# Altium PCB HV_Module_6W.PCBDOC (part 2 of 4) (continued)
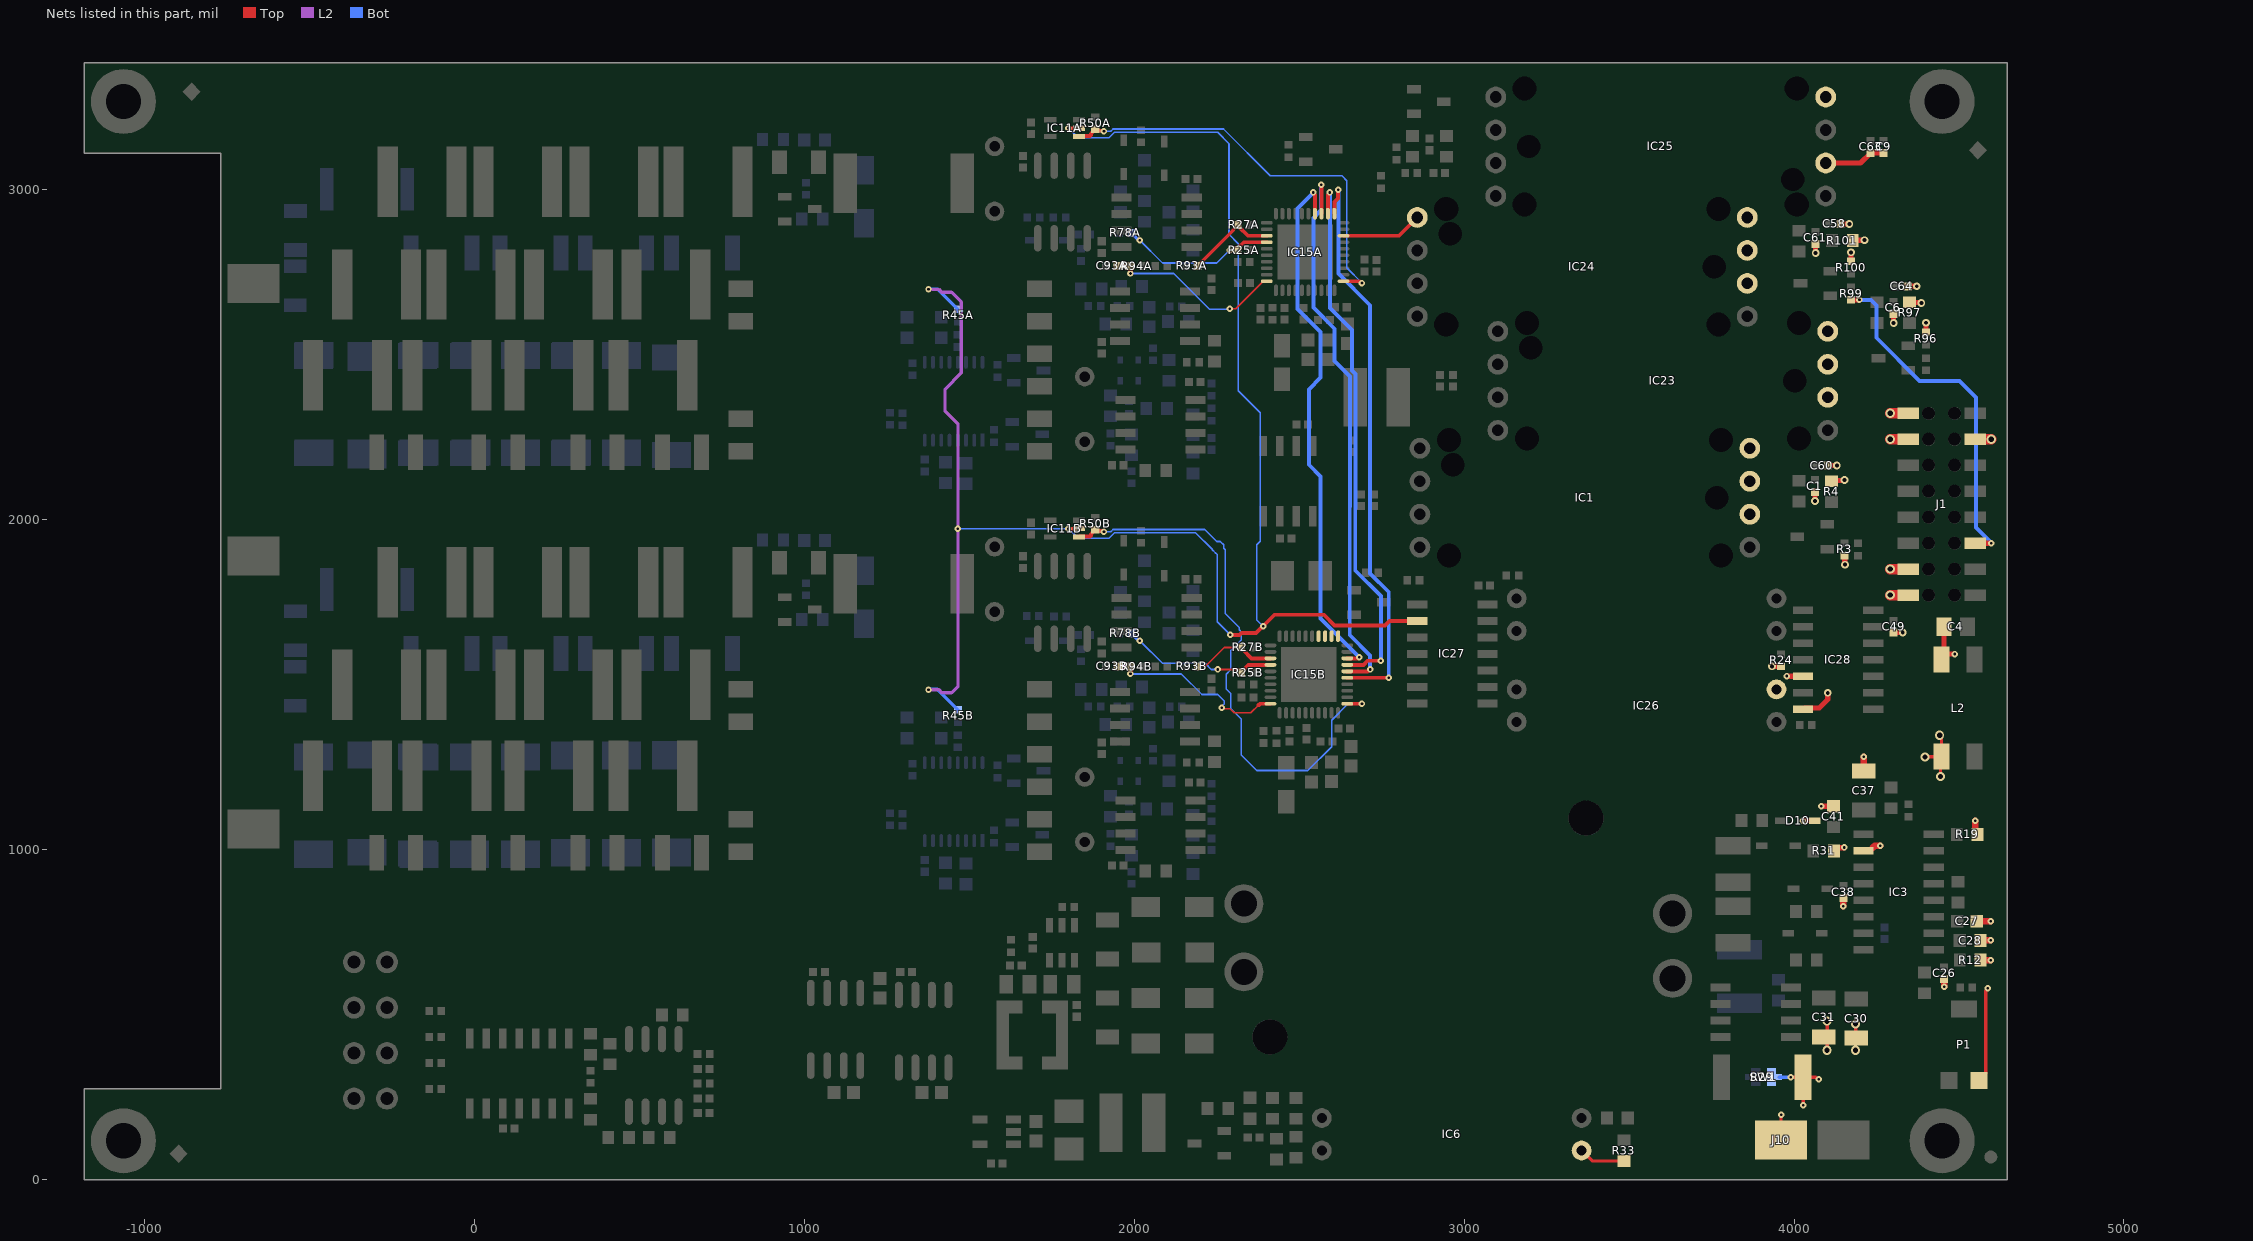
[diagram p4: the nets of this part, all layers, seen from the top]
## Part data (continued)
  J2 J10: CreateDate=2010-03-15, LatestRevisionDate=2010-03-15
  J3 J4 J7: CreateDate=15.03.2010, LatestRevisionDate=15.03.2010
L1 L9: library part 760308101104, "WE-WPCC Wireless Power Transfer Transmitter Coil, THT, works with Qi Tx IC's, 6.8uH, 50W", DC Resistance Max=130mOhm, Manufacturer="Wurth Elektronik", Operating Temperature Max=105°C, Operating Temperature Min=-20°C, Power Capability=50W, Rated Current=2.5A, Self Resonant Frequency=20MHz, Category="Wireless Power Transmission", Compliance="works with Qi Tx IC's", ComponentLink1Description="Website Link", ComponentLink1URL=https://www.we-online.com/redexpert/article/760308101104?ad, ComponentLink2Description="Datasheet Link", ComponentLink2URL=https://www.we-online.com/redexpert/spec/760308101104?ad, Diameter=20mm, Height=2.8mm, Inductance=6.8uH, Manufacturer Part Number=760308101104, Match Code=WE-WPCC, Mount="Through Hole", Packaging=Tray, Q Factor=42
L2: library part IND_250UH_50%_WURTH_WE-SL2-744224, "Inductor Common Mode", Manufacturer="WURTH ELEKTRONIK", Manufacturer Part Number=744224, Power=1.2A, Resistance=0.13R, Tolerance=±50%, Author="CERN DEM JLC", Component Type=Standard, ComponentHeight=5.3mm, CreateDate=02.12.2009, HelpURL=\\cern.ch\dfs\Applications\Altium\Datasheets\IND_WURTH_WE-SL2_744224.pdf, LatestRevisionDate=15.10.2012, Mounted=Yes, Part Description="Common Mode SMD Line Filter (WE-SL2 Series)", Part Number=IND_250UH_50%_WURTH_WE-SL2-744224, Pin Count=4, Sense=No, SMD=Yes, Socket=No
L3 L5: library part IND_10UH_20%_BOURNS_PM43, "Inductor With Core", Manufacturer=BOURNS, Manufacturer Part Number=PM43-100M-RC, Power=1.15A, Resistance=0.18R, Tolerance=±20%, Author="CERN DEM JLC", Component Type=Standard, ComponentHeight=3.5mm, CreateDate=17/05/2011, HelpURL=\\cern.ch\dfs\Applications\Altium\Datasheets\IND_BOURNS_PM43.pdf, LatestRevisionDate=17/05/2011, Mounted=Yes, Part Description="SMD Power Inductor", Part Number=IND_10UH_20%_BOURNS_PM43, Pin Count=2, Sense=No, SMD=Yes, Socket=No, Status=None
L4: library part IND_3.3UH_30%_WURTH_WE-TPC_744043003, "Inductor With Core", Manufacturer="WURTH ELEKTRONIK", Manufacturer Part Number=744043003, Power=2.15A, Resistance=0.03R, Tolerance=±30%, Author="CERN DEM JLC", Component Type=Standard, ComponentHeight=3mm, CreateDate=12.07.2011, HelpURL=\\cern.ch\dfs\Applications\Altium\Datasheets\IND_WURTH_WE-TPC_744043003.pdf, LatestRevisionDate=24.01.2012, Mounted=Yes, Part Description="Shielded Tiny Power Inductor (WE-TPC Serie)", Part Number=IND_3.3UH_30%_WURTH_WE-TPC_744043003, Pin Count=2, Sense=No, SMD=Yes, Socket=No
L8A L8B: library part CMP-0227-00099-3, Ambient Temperature Range High=95°C, Ambient Temperature Range Low=-40°C, Case/Package=Nonstandard, Current Rating=1A, DC Resistance (DCR)=350mΩ, Inductance=150µH, Inductance Tolerance=30%, Max Operating Temperature=125°C, Saturation Current=1.1A, Self Resonant Frequency=6MHz, Series Resistance=470mΩ, Test Frequency=100kHz, Composition=Wirewound, Core Material=Ferrite, Height=3.8mm, Height - Seated (Max)=4.0894mm, Length=10mm, Max DC Current=1A, Min Operating Temperature=-40°C, Mount="Surface Mount", NexarPartId=22803279, Number of Pins=2, Packaging="Cut Tape (CT)", REACH SVHC=Unknown, RMS Current (Irms)=1A, RoHS=Compliant, Shielding=Shielded, Termination=SMD/SMT, Tolerance=30%, Weight=1.273007g, Width=10mm
LD1 LD3: library part LED_DIALIGHT_555-2301F, "LED Green 1C 2A", Manufacturer=DIALIGHT, Manufacturer Part Number=555-2301F, Author="CERN DEM JMW", Bonding=No, Color=Green, Component Type=Standard, ComponentHeight=6.35mm, CreateDate=22.09.2008, HelpURL=\\cern.ch\dfs\Applications\Altium\Datasheets\LED_DIALIGHT_555-2301F.pdf, LatestRevisionDate=17.03.2010, Mounted=Yes, PackageDescription="Single 2mm Green LED, Body 5.08x2.54mm, Pin spacing 2.54mm", Part Description="Single 2mm Green LED CBI® Circuit Board Indicator", Part Number=LED_DIALIGHT_555-2301F, Pin Count=2, PressFit=No, Sense=No, SMD=No, Socket=No
LD2 LD4: library part LED_DIALIGHT_555-2001F, "LED Red 1C 2A", Manufacturer=DIALIGHT, Manufacturer Part Number=555-2001F, Author="CERN DEM JMW", Bonding=No, Color=Red, Component Type=Standard, ComponentHeight=6.35mm, CreateDate=22.09.2008, HelpURL=\\cern.ch\dfs\Applications\Altium\Datasheets\LED_DIALIGHT_555-2001F.pdf, LatestRevisionDate=17.03.2010, Mounted=Yes, PackageDescription="Single 2mm Red LED, Body 5.08x2.54mm, Pin spacing 2.54mm", Part Description="Single 2mm Red LED CBI® Circuit Board Indicator", Part Number=LED_DIALIGHT_555-2001F, Pin Count=2, PressFit=No, Sense=No, SMD=No, Socket=No
LP1 LP2 LP3 LP4: library part LEDLP_BIVAR_PLP2-1200, "LED Light Pipe x1 Type1", Manufacturer=BIVAR, Manufacturer Part Number=PLP2-1200, Author="CERN DEM HF", Bonding=No, Component Type=Standard, ComponentHeight=31.3mm, CreateDate=09.02.2022, HelpURL=\\cern.ch\dfs\Applications\Altium\Datasheets\LEDLP_BIVAR_PLP2-1200.pdf, LatestRevisionDate=09.02.2022, Mounted=Yes, PackageDescription="3mm Dome Leens, Single Station Vertivcal Round Lightpipe Height 1.2 in. (30.5mm)", Part Description="3mm Dome Leens, Single Station Vertivcal Round Lightpipe Height 1.2 in. (30.5mm)", Part Number=LEDLP_BIVAR_PLP2-1200, Pin Count=0, PressFit=No, Sense=No, SMD=No, Socket=No
P1: library part TRIM_1T_10K_BOURNS_3314G-1-103E, "Trimming Potentiometer", Case=3314G-1, Manufacturer=BOURNS, Manufacturer Part Number=3314G-1-103E, Power=0.25W, Tolerance=±20%, Author="CERN DEM JLC", Component Type=Standard, ComponentHeight=2.55mm, CreateDate=2014-03-04, HelpURL=\\cern.ch\dfs\Applications\Altium\Datasheets\TRIM_BOURNS_3314G-1.pdf, LatestRevisionDate=2014-03-04, Mounted=Yes, Part Description="Single Turn 4mm Square Trimpot® Trimming Potentiometer (Top Adjust)", Part Number=TRIM_1T_10K_BOURNS_3314G-1-103E, Pin Count=3, Sense=No, SMD=Yes, Socket=No, TC=±100ppm/°C
R1 R6 R98 R102: library part R0603_390R_1%_0.1W_100PPM, "Resistor - 1%", Case=0603, Manufacturer=GENERIC, Manufacturer1 ComponentHeight=0.55mm, Manufacturer1 Example="NIC COMPONENT", Manufacturer1 Part Number=NRC06F3900TRF, Power=0.1W, Tolerance=±1%, Author="CERN DEM JLC", Component Type=Standard, CreateDate=03.12.2007, HelpURL=\\cern.ch\dfs\Applications\Altium\Datasheets\R0603_NIC_NRC.pdf, LatestRevisionDate=13.03.2008, Manufacturer Part Number=R0603_390R_1%_0.1W_100PPM, Mounted=Yes, Part Description="General Purpose Thick Film Chip Resistor", Part Number=R0603_390R_1%_0.1W_100PPM, Pin Count=2, PressFit=No, Sense=No, SMD=Yes, Socket=No, Status=Preferred, TC=±100ppm/°C
R2 R95 R99 R103: library part R0402_47R_1%_0.0625W_100PPM, "Resistor - 1%", Case=0402, Manufacturer=GENERIC, Manufacturer1 ComponentHeight=0.4mm, Manufacturer1 Example="YAGEO PHYCOMP", Manufacturer1 Part Number=232270674709L, Power=0.0625W, Tolerance=±1%, Author="CERN DEM JLC", Component Type=Standard, CreateDate=03.12.2007, HelpURL=\\cern.ch\dfs\Applications\Altium\Datasheets\R0402_Phycomp_RC0402.pdf, LatestRevisionDate=17.10.2012, Manufacturer Part Number=R0402_47R_1%_0.0625W_100PPM, Mounted=Yes, Part Description="General Purpose Thick Film Chip Resistor", Part Number=R0402_47R_1%_0.0625W_100PPM, Pin Count=2, PressFit=No, Sense=No, SMD=Yes, Socket=No, Status="Not Recommended", TC=±100ppm/°C
R3 R14 R52A R52B R57 R65A R65B R67 R70 R71 R72 R78A R78B R80A R80B R90A R90B R93A R93B R94A R94B R96 R100 R104 R109: library part R0402_1K_1%_0.0625W_100PPM, "Resistor - 1%", Case=0402, Manufacturer=GENERIC, Manufacturer1 ComponentHeight=0.4mm, Manufacturer1 Example="YAGEO PHYCOMP", Manufacturer1 Part Number=232270671002L, Power=0.0625W, Tolerance=±1%, Author="CERN DEM JLC", Component Type=Standard, HelpURL=\\cern.ch\dfs\Applications\Altium\Datasheets\R0402_Phycomp_RC0402.pdf, Manufacturer Part Number=R0402_1K_1%_0.0625W_100PPM, Mounted=Yes, Part Description="General Purpose Thick Film Chip Resistor", Part Number=R0402_1K_1%_0.0625W_100PPM, Pin Count=2, Sense=No, SMD=Yes, Socket=No, TC=±100ppm/°C
  R3 R96 R100 R104: CreateDate=03.12.2007, LatestRevisionDate=17.10.2012, PressFit=No, Status="Not Recommended"
  R14 R52A R52B R57 R65A R65B R67 R70 R71 R72 R78A R78B R80A R80B R90A R90B R93A R93B R94A R94B R109: CreateDate=2007-12-03, LatestRevisionDate=2012-10-17, Status="Not recommended"
R4 R97 R101 R105: library part R0603_150R_1%_0.1W_100PPM, "Resistor - 1%", Case=0603, Manufacturer=GENERIC, Manufacturer1 ComponentHeight=0.55mm, Manufacturer1 Example="NIC COMPONENT", Manufacturer1 Part Number=NRC06F1500TRF, Power=0.1W, Tolerance=±1%, Author="CERN DEM JLC", Component Type=Standard, CreateDate=03.12.2007, HelpURL=\\cern.ch\dfs\Applications\Altium\Datasheets\R0603_NIC_NRC.pdf, LatestRevisionDate=13.03.2008, Manufacturer Part Number=R0603_150R_1%_0.1W_100PPM, Mounted=Yes, Part Description="General Purpose Thick Film Chip Resistor", Part Number=R0603_150R_1%_0.1W_100PPM, Pin Count=2, PressFit=No, Sense=No, SMD=Yes, Socket=No, Status=Preferred, TC=±100ppm/°C
R5 R56 R59 R62A R62B R66 R68 R69 R84A R84B: library part R0603_100K_1%_0.1W_100PPM, "Resistor - 1%", Case=0603, Manufacturer=GENERIC, Manufacturer1 ComponentHeight=0.55mm, Manufacturer1 Example="NIC COMPONENT", Manufacturer1 Part Number=NRC06F1003TRF, Power=0.1W, Tolerance=±1%, Author="CERN DEM JLC", Component Type=Standard, CreateDate=2007-12-03, HelpURL=\\cern.ch\dfs\Applications\Altium\Datasheets\R0603_NIC_NRC.pdf, LatestRevisionDate=2008-03-13, Manufacturer Part Number=R0603_100K_1%_0.1W_100PPM, Mounted=Yes, Part Description="General Purpose Thick Film Chip Resistor", Part Number=R0603_100K_1%_0.1W_100PPM, Pin Count=2, Sense=No, SMD=Yes, Socket=No, Status=Preferred, TC=±100ppm/°C
R7: library part R0402_43K_1%_0.0625W_100PPM, "Resistor - 1%", Case=0402, Manufacturer=GENERIC, Manufacturer1 ComponentHeight=0.4mm, Manufacturer1 Example="YAGEO PHYCOMP", Manufacturer1 Part Number=232270674303L, Power=0.0625W, Tolerance=±1%, Author="CERN DEM JLC", Component Type=Standard, CreateDate=03.12.2007, HelpURL=\\cern.ch\dfs\Applications\Altium\Datasheets\R0402_Phycomp_RC0402.pdf, LatestRevisionDate=17.10.2012, Manufacturer Part Number=R0402_43K_1%_0.0625W_100PPM, Mounted=Yes, Part Description="General Purpose Thick Film Chip Resistor", Part Number=R0402_43K_1%_0.0625W_100PPM, Pin Count=2, PressFit=No, Sense=No, SMD=Yes, Socket=No, Status="Not Recommended", TC=±100ppm/°C
R8: library part R0402_8K2_1%_0.0625W_100PPM, "Resistor - 1%", Case=0402, Manufacturer=GENERIC, Manufacturer1 ComponentHeight=0.4mm, Manufacturer1 Example="YAGEO PHYCOMP", Manufacturer1 Part Number=232270678202L, Power=0.0625W, Tolerance=±1%, Author="CERN DEM JLC", Component Type=Standard, CreateDate=03.12.2007, HelpURL=\\cern.ch\dfs\Applications\Altium\Datasheets\R0402_Phycomp_RC0402.pdf, LatestRevisionDate=17.10.2012, Manufacturer Part Number=R0402_8K2_1%_0.0625W_100PPM, Mounted=Yes, Part Description="General Purpose Thick Film Chip Resistor", Part Number=R0402_8K2_1%_0.0625W_100PPM, Pin Count=2, PressFit=No, Sense=No, SMD=Yes, Socket=No, Status="Not Recommended", TC=±100ppm/°C
R9A R9B R28A R28B R79A R79B R91A R91B: library part R0603_3K32_0.1%_0.063W_10PPM, "Resistor - 0.1%", Case=0603, Manufacturer=GENERIC, Manufacturer1 ComponentHeight=0.5mm, Manufacturer1 Example="TYCO HOLSWORTHY", Manufacturer1 Part Number=RN73C1J3K32BTDF, Power=0.063W, Tolerance=±0.1%, Author="CERN DEM JLC", Component Type=Standard, CreateDate=03.12.2007, HelpURL=\\cern.ch\dfs\Applications\Altium\Datasheets\R0603_Tyco_RN73.pdf, LatestRevisionDate=13.03.2008, Manufacturer Part Number=R0603_3K32_0.1%_0.063W_10PPM, Mounted=Yes, Part Description="Thin Film Chip Resistor", Part Number=R0603_3K32_0.1%_0.063W_10PPM, Pin Count=2, PressFit=No, Sense=No, SMD=Yes, Socket=No, Status="Not Recommended", TC=±10ppm
R10 R13 R16 R17 R19 R26 R30 R31 R33 R36 R38A R38B: library part R0603_47R_1%_0.1W_100PPM, "Resistor - 1%", Case=0603, Manufacturer=GENERIC, Manufacturer1 ComponentHeight=0.55mm, Manufacturer1 Example="NIC COMPONENT", Manufacturer1 Part Number=NRC06F47R0TRF, Power=0.1W, Tolerance=±1%, Author="CERN DEM JLC", Component Type=Standard, CreateDate=2007-12-03, HelpURL=\\cern.ch\dfs\Applications\Altium\Datasheets\R0603_NIC_NRC.pdf, LatestRevisionDate=2008-03-13, Manufacturer Part Number=R0603_47R_1%_0.1W_100PPM, Mounted=Yes, Part Description="General Purpose Thick Film Chip Resistor", Part Number=R0603_47R_1%_0.1W_100PPM, Pin Count=2, Sense=No, SMD=Yes, Socket=No, Status=Preferred, TC=±100ppm/°C
R11 R32 R35: library part R0603_2K7_1%_0.1W_100PPM, "Resistor - 1%", Case=0603, Manufacturer=GENERIC, Manufacturer1 ComponentHeight=0.55mm, Manufacturer1 Example="YAGEO PHYCOMP", Manufacturer1 Part Number=RC0603FR-072K7L, Power=0.1W, Tolerance=±1%, Author="CERN DEM JLC", Component Type=Standard, CreateDate=2011-05-02, HelpURL=\\cern.ch\dfs\Applications\Altium\Datasheets\R0603_PHYCOMP_RC0603.pdf, LatestRevisionDate=2011-05-02, Manufacturer Part Number=R0603_2K7_1%_0.1W_100PPM, Mounted=Yes, Part Description="General Purpose Thick Film Chip Resistor", Part Number=R0603_2K7_1%_0.1W_100PPM, Pin Count=2, Sense=No, SMD=Yes, Socket=No, Status=Preferred, TC=±100ppm/°C
R12: library part R0603_1M_1%_0.1W_100PPM, "Resistor - 1%", Case=0603, Manufacturer=GENERIC, Manufacturer1 ComponentHeight=0.55mm, Manufacturer1 Example="NIC COMPONENT", Manufacturer1 Part Number=NRC06F1004TRF, Power=0.1W, Tolerance=±1%, Author="CERN DEM JLC", Component Type=Standard, CreateDate=2007-12-03, HelpURL=\\cern.ch\dfs\Applications\Altium\Datasheets\R0603_NIC_NRC.pdf, LatestRevisionDate=2008-03-13, Manufacturer Part Number=R0603_1M_1%_0.1W_100PPM, Mounted=Yes, Part Description="General Purpose Thick Film Chip Resistor", Part Number=R0603_1M_1%_0.1W_100PPM, Pin Count=2, Sense=No, SMD=Yes, Socket=No, Status=Preferred, TC=±100ppm/°C
R15: library part R0402_100K_1%_0.0625W_100PPM, "Resistor - 1%", Case=0402, Manufacturer=GENERIC, Manufacturer1 ComponentHeight=0.4mm, Manufacturer1 Example="YAGEO PHYCOMP", Manufacturer1 Part Number=232270671004L, Power=0.0625W, Tolerance=±1%, Author="CERN DEM JLC", Component Type=Standard, CreateDate=2007-12-03, HelpURL=\\cern.ch\dfs\Applications\Altium\Datasheets\R0402_Phycomp_RC0402.pdf, LatestRevisionDate=2012-10-17, Manufacturer Part Number=R0402_100K_1%_0.0625W_100PPM, Mounted=Yes, Part Description="General Purpose Thick Film Chip Resistor", Part Number=R0402_100K_1%_0.0625W_100PPM, Pin Count=2, Sense=No, SMD=Yes, Socket=No, Status="Not recommended", TC=±100ppm/°C
R18A R18B R58A R58B R82A R82B R111A R111B: library part R0402_13R_1%_0.0625W_100PPM, "Resistor - 1%", Case=0402, Manufacturer=GENERIC, Manufacturer1 ComponentHeight=0.4mm, Manufacturer1 Example="YAGEO PHYCOMP", Manufacturer1 Part Number=232270671309L, Power=0.0625W, Tolerance=±1%, Author="CERN DEM JLC", Component Type=Standard, CreateDate=03.12.2007, HelpURL=\\cern.ch\dfs\Applications\Altium\Datasheets\R0402_Phycomp_RC0402.pdf, LatestRevisionDate=17.10.2012, Manufacturer Part Number=R0402_13R_1%_0.0625W_100PPM, Mounted=Yes, Part Description="General Purpose Thick Film Chip Resistor", Part Number=R0402_13R_1%_0.0625W_100PPM, Pin Count=2, PressFit=No, Sense=No, SMD=Yes, Socket=No, Status="Not Recommended", TC=±100ppm/°C
R20A R20B R22A R22B R25A R25B R27A R27B R74A R74B: library part R0402_0R_JUMPER, "Resistor", Case=0402, Manufacturer=GENERIC, Manufacturer1 ComponentHeight=0.4mm, Manufacturer1 Example="YAGEO PHYCOMP", Manufacturer1 Part Number=232270591001L, Author="CERN DEM JLC", Component Type=Standard, CreateDate=03.12.2007, HelpURL=\\cern.ch\dfs\Applications\Altium\Datasheets\R0402_Phycomp_RC0402.pdf, LatestRevisionDate=17.10.2012, Manufacturer Part Number=R0402_0R_JUMPER, Mounted=Yes, Part Description="1A (0.05R Max DC Resistance) Zero Ohm Jumper", Part Number=R0402_0R_JUMPER, Pin Count=2, PressFit=No, Sense=No, SMD=Yes, Socket=No, Status="Not Recommended"
R21 R23 R24 R45A R45B R106: library part R0402_330R_1%_0.0625W_100PPM, "Resistor - 1%", Case=0402, Manufacturer=GENERIC, Manufacturer1 ComponentHeight=0.4mm, Manufacturer1 Example="YAGEO PHYCOMP", Manufacturer1 Part Number=232270673301L, Power=0.0625W, Tolerance=±1%, Author="CERN DEM JLC", Component Type=Standard, CreateDate=2007-12-03, HelpURL=\\cern.ch\dfs\Applications\Altium\Datasheets\R0402_Phycomp_RC0402.pdf, LatestRevisionDate=2012-10-17, Manufacturer Part Number=R0402_330R_1%_0.0625W_100PPM, Mounted=Yes, Part Description="General Purpose Thick Film Chip Resistor", Part Number=R0402_330R_1%_0.0625W_100PPM, Pin Count=2, Sense=No, SMD=Yes, Socket=No, Status="Not recommended", TC=±100ppm/°C
R29: library part R2512_0R5_1%_1.5W_100PPM, "Resistor - 1%", Case=2512, Manufacturer=GENERIC, Manufacturer1 ComponentHeight=0.8mm, Manufacturer1 Example=WELWYN, Manufacturer1 Part Number=LR2512-R50FW, Power=1.5W, Tolerance=±1%, Author="CERN DEM JLC", Component Type=Standard, CreateDate=2010-08-23, HelpURL=\\cern.ch\dfs\Applications\Altium\Datasheets\R2512_WELWYN_LR.pdf, LatestRevisionDate=2010-08-23, Manufacturer Part Number=R2512_0R5_1%_1.5W_100PPM, Mounted=Yes, Part Description="Thick Film Chip Resistor", Part Number=R2512_0R5_1%_1.5W_100PPM, Pin Count=2, Sense=No, SMD=Yes, Socket=No, Status=None, TC=±100ppm/°C
R34: library part R0603_9K1_1%_0.1W_100PPM, "Resistor - 1%", Case=0603, Manufacturer=GENERIC, Manufacturer1 ComponentHeight=0.55mm, Manufacturer1 Example="NIC COMPONENT", Manufacturer1 Part Number=NRC06F9101TRF, Power=0.1W, Tolerance=±1%, Author="CERN DEM JLC", Component Type=Standard, CreateDate=2007-12-03, HelpURL=\\cern.ch\dfs\Applications\Altium\Datasheets\R0603_NIC_NRC.pdf, LatestRevisionDate=2008-03-13, Manufacturer Part Number=R0603_9K1_1%_0.1W_100PPM, Mounted=Yes, Part Description="General Purpose Thick Film Chip Resistor", Part Number=R0603_9K1_1%_0.1W_100PPM, Pin Count=2, Sense=No, SMD=Yes, Socket=No, Status=Preferred, TC=±100ppm/°C
R37: library part R0603_2K4_1%_0.1W_100PPM, "Resistor - 1%", Case=0603, Manufacturer=GENERIC, Manufacturer1 ComponentHeight=0.55mm, Manufacturer1 Example="NIC COMPONENT", Manufacturer1 Part Number=NRC06F2401TRF, Power=0.1W, Tolerance=±1%, Author="CERN DEM JLC", Component Type=Standard, CreateDate=2007-12-03, HelpURL=\\cern.ch\dfs\Applications\Altium\Datasheets\R0603_NIC_NRC.pdf, LatestRevisionDate=2008-03-13, Manufacturer Part Number=R0603_2K4_1%_0.1W_100PPM, Mounted=Yes, Part Description="General Purpose Thick Film Chip Resistor", Part Number=R0603_2K4_1%_0.1W_100PPM, Pin Count=2, Sense=No, SMD=Yes, Socket=No, Status=Preferred, TC=±100ppm/°C
R39A R39B R83A R83B R92A R92B: library part R0402_33R_1%_0.0625W_100PPM, "Resistor - 1%", Case=0402, Manufacturer=GENERIC, Manufacturer1 ComponentHeight=0.4mm, Manufacturer1 Example="YAGEO PHYCOMP", Manufacturer1 Part Number=232270673309L, Power=0.0625W, Tolerance=±1%, Author="CERN DEM JLC", Component Type=Standard, HelpURL=\\cern.ch\dfs\Applications\Altium\Datasheets\R0402_Phycomp_RC0402.pdf, Manufacturer Part Number=R0402_33R_1%_0.0625W_100PPM, Mounted=Yes, Part Description="General Purpose Thick Film Chip Resistor", Part Number=R0402_33R_1%_0.0625W_100PPM, Pin Count=2, Sense=No, SMD=Yes, Socket=No, TC=±100ppm/°C
  R39A R39B: CreateDate=2007-12-03, LatestRevisionDate=2012-10-17, Status="Not recommended"
  R83A R83B R92A R92B: CreateDate=03.12.2007, LatestRevisionDate=17.10.2012, PressFit=No, Status="Not Recommended"
R40A R40B R46A R46B R48A R48B R49A R49B R50A R50B R51A R51B R53A R53B R54A R54B R55A R55B R64A R64B R107 R108: library part R0402_10K_1%_0.0625W_100PPM, "Resistor - 1%", Case=0402, Manufacturer=GENERIC, Manufacturer1 ComponentHeight=0.4mm, Manufacturer1 Example="YAGEO PHYCOMP", Manufacturer1 Part Number=232270671003L, Power=0.0625W, Tolerance=±1%, Author="CERN DEM JLC", Component Type=Standard, CreateDate=2007-12-03, HelpURL=\\cern.ch\dfs\Applications\Altium\Datasheets\R0402_Phycomp_RC0402.pdf, LatestRevisionDate=2012-10-17, Manufacturer Part Number=R0402_10K_1%_0.0625W_100PPM, Mounted=Yes, Part Description="General Purpose Thick Film Chip Resistor", Part Number=R0402_10K_1%_0.0625W_100PPM, Pin Count=2, Sense=No, SMD=Yes, Socket=No, Status="Not recommended", TC=±100ppm/°C
R41A R41B R42A R42B: library part R1206_100K_0.1%_0.4W_25PPM_VISHAY_PAT, "Resistor - 0.1%", Case=1206, Manufacturer="VISHAY DALE THIN FILM", Manufacturer Part Number=PAT1206E1003BS, Power=0.4W, Tolerance=±0.1%, Author="CERN DEM MR", Component Type=Standard, ComponentHeight=0.5mm, CreateDate=19.07.2016, HelpURL=\\cern.ch\dfs\Applications\Altium\Datasheets\R1206_VISHAY_PAT.pdf, LatestRevisionDate=19.07.2016, Mounted=Yes, Part Description="Precision Automotive Thin Film Chip Resistors 2kV ESD Rating", Part Number=R1206_100K_0.1%_0.4W_25PPM_VISHAY_PAT, Pin Count=2, PressFit=No, Sense=No, SMD=Yes, Socket=No, Status=None, TC=±25ppm/°C
R43A R43B: library part "R2512_100R_1%_1.5W_100PPM_VISHAY_CRCW-HP e3", "Resistor - 1%", Case=2512, Manufacturer="VISHAY DRALORIC", Manufacturer Part Number=CRCW2512100RFKEHHP, Power=1.5W, Tolerance=±1%, Voltage=500V, Author="CERN DEM JLC", Component Type=Standard, ComponentHeight=0.7mm, CreateDate=2013-05-21, HelpURL="\\cern.ch\dfs\Applications\Altium\Datasheets\R2512_VISHAY_CRCW-HP e3.pdf", LatestRevisionDate=2013-05-21, Mounted=Yes, Part Description="Pulse Proof, High Power Thick Film Chip Resistor", Part Number="R2512_100R_1%_1.5W_100PPM_VISHAY_CRCW-HP e3", Pin Count=2, Sense=No, SMD=Yes, Socket=No, Status=None, TC=±100ppm/°C
R44A R44B R47A R47B R89A R89B R119A R119B: library part R0402_100R_1%_0.0625W_100PPM, "Resistor - 1%", Case=0402, Manufacturer=GENERIC, Manufacturer1 ComponentHeight=0.4mm, Manufacturer1 Example="YAGEO PHYCOMP", Manufacturer1 Part Number=232270671001L, Power=0.0625W, Tolerance=±1%, Author="CERN DEM JLC", Component Type=Standard, HelpURL=\\cern.ch\dfs\Applications\Altium\Datasheets\R0402_Phycomp_RC0402.pdf, Manufacturer Part Number=R0402_100R_1%_0.0625W_100PPM, Mounted=Yes, Part Description="General Purpose Thick Film Chip Resistor", Part Number=R0402_100R_1%_0.0625W_100PPM, Pin Count=2, Sense=No, SMD=Yes, Socket=No, TC=±100ppm/°C
  R44A R44B R47A R47B: CreateDate=2007-12-03, LatestRevisionDate=2012-10-17, Status="Not recommended"
  R89A R89B R119A R119B: CreateDate=03.12.2007, LatestRevisionDate=17.10.2012, PressFit=No, Status="Not Recommended"
R60A R60B R63A R63B R85A R85B R87A R87B: library part R0603_10K_0.1%_0.063W_10PPM, "Resistor - 0.1%", Case=0603, Manufacturer=GENERIC, Manufacturer1 ComponentHeight=0.5mm, Manufacturer1 Example="TYCO HOLSWORTHY", Manufacturer1 Part Number=RN73C1J10KBTDF, Power=0.063W, Tolerance=±0.1%, Author="CERN DEM JLC", Component Type=Standard, CreateDate=03.12.2007, HelpURL=\\cern.ch\dfs\Applications\Altium\Datasheets\R0603_Tyco_RN73.pdf, LatestRevisionDate=13.03.2008, Manufacturer Part Number=R0603_10K_0.1%_0.063W_10PPM, Mounted=Yes, Part Description="Thin Film Chip Resistor", Part Number=R0603_10K_0.1%_0.063W_10PPM, Pin Count=2, PressFit=No, Sense=No, SMD=Yes, Socket=No, Status="Not Recommended", TC=±10ppm
R61A R61B: library part R0603_30K_0.1%_0.063W_25PPM, "Resistor - 0.1%", Case=0603, Manufacturer=GENERIC, Manufacturer1 ComponentHeight=0.55mm, Manufacturer1 Example="TE CONNECTIVITY", Manufacturer1 Part Number=CPF0603B30KE1, Power=0.063W, Tolerance=±0.1%, Author="CERN DEM JMW", Component Type=Standard, CreateDate=28.07.2021, HelpURL=\\cern.ch\dfs\Applications\Altium\Datasheets\R0603_TYCO_CPF.pdf, LatestRevisionDate=28.07.2021, Manufacturer Part Number=R0603_30K_0.1%_0.063W_25PPM, Mounted=Yes, Part Description="Thin Film Chip Resistor", Part Number=R0603_30K_0.1%_0.063W_25PPM, Pin Count=2, PressFit=No, Sense=No, SMD=Yes, Socket=No, Status="Not Recommended", TC=±25ppm
R73A R73B: library part R0603_7K5_1%_0.1W_100PPM, "Resistor - 1%", Case=0603, Manufacturer=GENERIC, Manufacturer1 ComponentHeight=0.55mm, Manufacturer1 Example="NIC COMPONENT", Manufacturer1 Part Number=NRC06F7501TRF, Power=0.1W, Tolerance=±1%, Author="CERN DEM JLC", Component Type=Standard, CreateDate=03.12.2007, HelpURL=\\cern.ch\dfs\Applications\Altium\Datasheets\R0603_NIC_NRC.pdf, LatestRevisionDate=13.03.2008, Manufacturer Part Number=R0603_7K5_1%_0.1W_100PPM, Mounted=Yes, Part Description="General Purpose Thick Film Chip Resistor", Part Number=R0603_7K5_1%_0.1W_100PPM, Pin Count=2, PressFit=No, Sense=No, SMD=Yes, Socket=No, Status=Preferred, TC=±100ppm/°C
R75A R75B R76A R76B R77A R77B R81A R81B: library part R1210_1M0_0.1%_1W_25ppm_HVCB2010BDE10M0, "RES, HV, 2010, 10 Mohm, 0.1%, 25 ppm, 1W", Case=2010, Manufacturer="Stackpole Electronics", Manufacturer1 ComponentHeight=0.65mm, Manufacturer Part Number=HVCB2010BDE10M0, Power=1W, Tolerance=±0.1%, Author=GK, Component Type=Standard, CreateDate=26.02.2015, HelpURL=\\cern.ch\dfs\Applications\Altium\Datasheets\R2010_WELWYN_LHVC.pdf, LatestRevisionDate=26.02.2015, Mounted=Yes, Part Description="Thick Film Chip Resistor", Part Number=R1210_1M0_0.1%_1W_25ppm_HVCB2010BDE10M0, Pin Count=2, PressFit=No, Sense=No, SMD=Yes, Socket=No, Status=None, TC=±25ppm/°C
R86A R86B R88A R88B: library part R0603_13K3_0.1%_0.063W_10PPM, "Resistor - 0.1%", Case=0603, Manufacturer=GENERIC, Manufacturer1 ComponentHeight=0.5mm, Manufacturer1 Example="TYCO HOLSWORTHY", Manufacturer1 Part Number=RN73C1J13K3BTDF, Power=0.063W, Tolerance=±0.1%, Author="CERN DEM JLC", Component Type=Standard, CreateDate=03.12.2007, HelpURL=\\cern.ch\dfs\Applications\Altium\Datasheets\R0603_Tyco_RN73.pdf, LatestRevisionDate=13.03.2008, Manufacturer Part Number=R0603_13K3_0.1%_0.063W_10PPM, Mounted=Yes, Part Description="Thin Film Chip Resistor", Part Number=R0603_13K3_0.1%_0.063W_10PPM, Pin Count=2, PressFit=No, Sense=No, SMD=Yes, Socket=No, Status="Not Recommended", TC=±10ppm
R110A R110B: library part R0603_0R33_1%_0.2W_100PPM, "Resistor - 1%", Case=0603, Manufacturer=GENERIC, Manufacturer1 ComponentHeight=0.6mm, Manufacturer1 Example="VISHAY DALE", Manufacturer1 Part Number=RCWE0603R330FK, Power=0.2W, Tolerance=±1%, Author="CERN DEM BC", Component Type=Standard, CreateDate=12.10.2020, HelpURL=\\cern.ch\dfs\Applications\Altium\Datasheets\R0603_VISHAY_RCWE.pdf, LatestRevisionDate=12.10.2020, Manufacturer Part Number=R0603_0R33_1%_0.2W_100PPM, Mounted=Yes, Part Description="Thick Film Chip Resistor", Part Number=R0603_0R33_1%_0.2W_100PPM, Pin Count=2, PressFit=No, Sense=No, SMD=Yes, Socket=No, Status="Not Preferred", TC=±100ppm/°C
SW1: library part JUMPSMD0805_G50, "2 SMD Pads for Bound by Solder  Drop", Manufacturer=None, Author="CERN DEM JLC", Component Type="Standard (No BOM)", ComponentHeight=0mm, CreateDate=2009-08-26, Family=Switch, HelpURL=None, LatestRevisionDate=2009-09-09, Manufacturer Part Number=None, Mounted=No, PackageDescription="2 SMD Pads for Bound by Solder Drop - Equivalent Size 0805 - Gap 0.5mm", Part Description="2 SMD Pads for Bound by Solder Drop - Equivalent Size 0805 - Gap 0.5mm", Part Number=JUMPSMD0805_G50, Pin Count=2, PressFit=No, Sense=No, SMD=Yes, Socket=No, Status=None
T1: "20V DUAL N-Channel 2.5V Specified PowerTrench MOSFET", Case=SOIC8, Manufacturer="FAIRCHILD SEMICONDUCTOR", Author="CERN DEM BC", Bonding=No, Component Type=Standard, ComponentHeight=1.75mm, CreateDate=2015-09-02, Device=FDS9926A, HelpURL=\\cern.ch\dfs\Applications\Altium\Datasheets\FDS9926A.pdf, LatestRevisionDate=2015-09-02, Manufacturer Part Number=FDS9926A, Mounted=Yes, PackageDescription="SOIC 8, Pitch 1.27mm - Body 4x5mm, IPC Medium Density", Part Description="20V DUAL N-Channel 2.5V Specified PowerTrench® MOSFET", Part Number=FDS9926A, Pin Count=8, PressFit=No, Sense=No, SMD=Yes, Socket=No
T2A T2B: "P-CHANNEL MOSFET WITH ZENER DIODE", Case=SOT23-3, Manufacturer="INTERNATIONAL RECTIFIER", Manufacturer Part Number=IRLML6402, Author="CERN DEM JLC", Bonding=No, Component Type=Standard, ComponentHeight=1.12mm, CreateDate=29.08.2011, Device=IRLML6402PBF, HelpURL=\\cern.ch\dfs\Applications\Altium\Datasheets\IRLML6402PBF.pdf, LatestRevisionDate=29.08.2011, Mounted=Yes, PackageDescription="SOT23, 0.95mm Pitch; 3 Pin, 1.30mm W X 2.92mm L X 1.12mm H body, IPC Medium Density", Part Description="-20V -3.7A P-Channel HEXFET® Power MOSFET", Part Number=IRLML6402PBF, Pin Count=3, PressFit=No, Sense=No, SMD=Yes, Socket=No
T3A T3B T4A T4B: "N-CHANNEL MOSFET WITH DIODE", Case=SOT23-3, Manufacturer="INTERNATIONAL RECTIFIER", Manufacturer Part Number=IRLML0060, Author="CERN DEM JLC", Bonding=No, Component Type=Standard, ComponentHeight=1.12mm, CreateDate=06.10.2011, Device=IRLML0060TRPBF, HelpURL=\\cern.ch\dfs\Applications\Altium\Datasheets\IRLML0060TRPBF.pdf, LatestRevisionDate=06.10.2011, Mounted=Yes, PackageDescription="SOT23, 0.95mm Pitch; 3 Pin, 1.30mm W X 2.92mm L X 1.12mm H body, IPC Medium Density", Part Description="60V 2.7A N-Channel HEXFET® Power MOSFET", Part Number=IRLML0060TRPBF, Pin Count=3, PressFit=No, Sense=No, SMD=Yes, Socket=No
T5 T6 T7 T8: "N-CHANNEL MOSFET WITH DIODE", Case=SOT23-3, Manufacturer="FAIRCHILD SEMICONDUCTOR", Author="CERN DEM JLC", Bonding=No, Component Type=Standard, ComponentHeight=1.3mm, CreateDate=20.08.2008, Device=2N7002, HelpURL=\\cern.ch\dfs\Applications\Altium\Datasheets\2N7002.pdf, LatestRevisionDate=07.04.2009, Manufacturer Part Number=2N7002, Mounted=Yes, PackageDescription="SOT23, 0.95mm Pitch; 3 Pin, 1.30mm W X 2.90mm L X 1.30mm H body, IPC Medium Density", Part Description="60V, 280mA, N-Channel Enhancement Mode Field Effect Transistor (FET)", Part Number=2N7002, Pin Count=3, PressFit=No, Sense=No, SMD=Yes, Socket=No
T12A T12B: "N-CHANNEL MOSFET WITH DIODE", Case=SOT23-3, Manufacturer="ON SEMICONDUCTOR", Author="CERN DEM JLC", Bonding=No, Component Type=Standard, ComponentHeight=1.11mm, CreateDate=23.03.2009, Device=BSS138LT1G, HelpURL=\\cern.ch\dfs\Applications\Altium\Datasheets\BSS138LT1G.pdf, LatestRevisionDate=23.03.2009, Manufacturer Part Number=BSS138LT1G, Mounted=Yes, PackageDescription="SOT23 3-Leads, Pitch 0.95mm - Body 1.4x3mm, IPC Medium Density", Part Description="50V 200mA N-Channel Enhancement Mode Field-Effect Transistor", Part Number=BSS138LT1G, Pin Count=3, PressFit=No, Sense=No, SMD=Yes, Socket=No
Tr1A Tr1B: library part Tr_FL2015-5L, "SMD CCFL Transformer"

## Free pads (board coordinates)
  round 106.3 hole 106.3: 2(2411.42,433.07) 2(3369.62,1095.92)

## Via types
v1: diameter 19.68, hole 7.87, Top to Bot, tented both sides, 271 vias
v2: diameter 23.62, hole 11.81, Top to Bot, 80 vias
v3: diameter 19.68, hole 7.87, Top to Bot, 61 vias
v4: diameter 27.56, hole 15.75, Top to Bot, 23 vias

## Nets (pads, with @x,y where several pads share a name; then routed paths per layer and width w, separated by ;. In a path a pad name is that pad's centre, name@x,y a point inside that pad or via, vN(x,y) a via of type N, cw(c..) or ccw(c..) an arc to the next point about the centre after c; other vN are vias at no path point)
ADC_IA: C93A.2 IC15A.30 R94A.1 | length 554.9
  Top w5: v1(2290.03,2640) 2308.17,2640 2391.24,2723.07 IC15A.30@2402.36,2723.07
  Top w15.75: C93A.2@1950.39,2769.69 1950.89,2769.19 1988.48,2769.19 R94A.1@1988.98,2768.7 v1(1988.98,2746.54)
  Bot w5: v1(1988.98,2746.54) 2119.92,2746.54 2228.66,2637.8 2287.83,2637.8 v1(2290.03,2640)
ADC_IB: C93B.2 IC15B.30 R94B.1 | length 568.3
  Top w5: v1(2266.12,1430.32) 2268.93,1427.51 2290.61,1427.51 2303.15,1414.96 2353.24,1414.96 2377.37,1439.09
  Top w11.81: 2377.37,1439.09 2378.14,1439.09 2381.56,1442.52 IC15B.30@2413.39,1442.52
  Top w15.75: C93B.2@1950.39,1556.1 1950.89,1555.61 1988.48,1555.61 R94B.1@1988.98,1555.12 v1(1988.98,1532.96)
  Bot w5: v1(1988.98,1532.96) 2143.1,1532.96 2205.63,1470.42 2253.94,1470.42 2273.46,1450.9 2273.46,1441.63 2266.12,1434.29 v1(2266.12,1430.32)
CSN: J1.5 R99.2 | length 1046.4
  Top w15.75: R99.2@4173.23,2667.32 4173.65,2666.9 4198,2666.9 v3(4198.43,2666.48) ; J1.5@4570.87,1929.3 4597.88,1929.3 v3(4598.18,1929.6)
  Bot w11.81: v3(4198.43,2666.48) 4233.13,2666.48 4250,2649.61 4250,2551.74 4380.48,2421.26 4500.98,2421.26 4551.18,2371.06 4551.18,1976.59 v3(4598.18,1929.6)
CSN_ISOL: IC15A.8 IC24.8 | length 246.7
  Top w11.81: IC15A.8@2634.65,2860.86 2802.6,2860.86 IC24.8@2858.27,2916.54
CSN_ISOLB: IC15A.14 IC15B.8 | length 1639.3
  Top w11.81: v3(2543.31,2992.13) 2543.31,2990 2548.03,2985.27 IC15A.14@2548.03,2927.79 ; IC15B.8@2645.67,1580.31 2675.9,1580.31 2679.7,1584.11 v3(2681.83,1584.11)
  Bot w11.81: v3(2543.31,2992.13) 2495.08,2943.9 2495.08,2639.31 2564.99,2569.4 2564.99,2430.96 2529.53,2395.5 2529.53,2352.58 2530.14,2351.96 2530.14,2259.75 2529.53,2259.14 2529.53,2166.93 2564.99,2131.47 2564.99,1700.95 v3(2681.83,1584.11)
DAC_IA: IC15A.23 R27A.2 R93A.2 | length 277
  Top w10: R93A.2@2193.5,2769.69 2193.5,2770.47 2300.67,2877.64 2300.67,2879.41 2314.17,2892.91 R27A.2@2314.17,2893.7
  Top w11.81: R27A.2@2314.17,2893.7 2319.68,2888.19 2319.68,2886.15 2344.97,2860.86 IC15A.23@2402.36,2860.86
DAC_IB: IC15B.23 R27B.2 R93B.2 | length 258.3
  Top w5: R93B.2@2193.5,1556.1 2216.3,1556.1 2273.35,1613.15 R27B.2@2325.2,1613.15
  Top w11.81: R27B.2@2325.2,1613.15 2330.71,1607.64 2330.71,1605.6 2356,1580.31 IC15B.23@2413.39,1580.31
DAC_UA: IC15A.24 R25A.2 R78A.2 | length 468.8
  Top w11.81: v1(2290.03,2817.75) R25A.2@2310.13,2817.75 ; R25A.2@2316.34,2821.49 2317.32,2821.49 2319.68,2823.86 2319.68,2827.79 2333.07,2841.18 IC15A.24@2402.36,2841.18
  Bot w5: v1(2017.45,2847.44) 2086.34,2778.54 2250.83,2778.54 v1(2290.03,2817.75)
  Bot w11.81: R78A.2@1992.32,2869.88 1992.32,2869.09 2012.47,2848.95 2015.94,2848.95 v1(2017.45,2847.44)
DAC_UB: IC15B.24 R25B.2 R78B.2 | length 481.3
  Top w5: v1(2253.94,1546.42) 2316.28,1546.42 2325.2,1537.5 R25B.2@2325.2,1537.01
  Top w11.81: R25B.2@2325.2,1537.99 2325.39,1537.99 2330.71,1543.31 2330.71,1544.29 2339.88,1553.46 2339.88,1553.73 2346.78,1560.63 IC15B.24@2413.39,1560.63
  Bot w5: v1(2017.45,1633.86) 2086.34,1564.96 2215.71,1564.96 2234.25,1546.42 v1(2253.94,1546.42)
  Bot w11.81: R78B.2@1992.32,1656.3 1992.32,1655.51 2012.47,1635.36 2015.94,1635.36 v1(2017.45,1633.86)
ENBLA: IC11A.2 IC11B.2 IC27.2 R45A.2 R45B.2 | length 5451.2
  Top w10: v1(1801.18,1973.43) IC11B.2@1832.87,1973.43 ; v1(1801.18,3187.01) IC11A.2@1832.87,3187.01
  Top w11.81: v1(2291.5,1651.27) 2319.73,1651.27 2324.96,1656.5 2370.02,1656.5 2425.72,1712.2 2575.59,1712.2 2607.65,1680.14 2760.75,1680.14 2774.31,1693.7 IC27.2@2858.27,1693.7
  L2 w10: v1(1376.92,1484.7) 1409.03,1484.7 1417.35,1476.38 1446.85,1476.38 1466.54,1496.06 1466.54,2289.92 1427.17,2329.29 1427.17,2396.1 1476.38,2445.32 1476.38,2660.43 1446.85,2689.96 1417.35,2689.96 1409.03,2698.28 v1(1376.92,2698.28)
  Bot w5: v1(1465.75,1973.43) v1(1801.18,1973.43) 1830.35,1944.26 1923.96,1944.26 1940.42,1960.72 2186.34,1960.72 2236.59,1910.47 2236.59,1909.75 2246.75,1899.59 2247.48,1899.59 2252.08,1894.98 2252.08,1690.68 v1(2291.5,1651.27) ; v1(1801.18,3187.01) 1830.35,3157.84 1923.96,3157.84 1940.42,3174.3 2253.29,3174.3 2287.83,3139.76 2287.83,2865.38 2316.08,2837.13 2316.08,2760.49 2315.73,2760.14 2315.73,2700.04 2316.08,2699.69 2316.08,2545.85 2315.73,2545.5 2315.73,2391.66 2382.68,2324.71 2382.68,1934.74 2372.05,1924.11 2372.05,1696.56 v1(2391.36,1677.24)
  Bot w10: v1(1376.92,1484.7) 1378.44,1486.22 1403.74,1486.22 1465.75,1424.21 R45B.2@1466.54,1424.21 ; v1(1376.92,2698.28) 1378.44,2699.8 1403.74,2699.8 1465.75,2637.8 R45A.2@1466.54,2637.8
ENBLn1: IC11A.1 IC15A.1 R50A.1 | length 1272.7
  Top w11.81: IC11A.1@1832.87,3161.42 1834.84,3163.39 1866.08,3163.39 1869.07,3166.37 1869.07,3170.02 1876.02,3176.97 R50A.1@1876.02,3177.76 ; R50A.1@1882.32,3183.27 1886.32,3179.26 1907.19,3179.26 v1(1908.7,3177.76) ; IC15A.1@2634.65,2723.07 2683.07,2723.07 2688.5,2717.63 v1(2690.64,2717.63) v1@2690.12,2717.11
  Bot w5: v1(1908.7,3177.76) 1929.73,3177.76 1936.28,3184.3 2271.09,3184.3 2413.07,3042.32 2629.92,3042.32 2644.39,3027.86 2644.39,2763.88 v1(2690.64,2717.63)
ENBLn2: IC11B.1 IC15B.1 R50B.1 | length 1726.4
  Top w11.81: IC11B.1@1832.87,1947.83 1834.84,1949.8 1866.08,1949.8 1869.07,1952.79 1869.07,1956.44 1876.02,1963.39 R50B.1@1876.02,1964.17 ; R50B.1@1882.32,1969.69 1886.32,1965.68 1907.19,1965.68 v1(1908.7,1964.17) ; IC15B.1@2645.67,1442.52 2690.34,1442.52 v1(2690.64,1442.22) v1@2692.77,1442.22
  Bot w5: v1(1908.7,1964.17) 1929.73,1964.17 1936.28,1970.72 2214.29,1970.72 2250.74,1934.27 2261.12,1934.27 2271.28,1924.11 2271.28,1913.73 2276.12,1908.89 2276.12,1716.35 2318.84,1673.63 2318.84,1666.59 2325.1,1660.33 2325.1,1635.83 2293.46,1604.19 2293.46,1546.59 2278.89,1532.02 2278.89,1487.38 2293.46,1472.81 2293.46,1428.16 2325.1,1396.53 2325.1,1287.1 2372.05,1240.16 2526.76,1240.16 2598.73,1312.13 2598.73,1392.61 2648.35,1442.22 v1(2690.64,1442.22)
EXT_CSN_ISOLB: IC15B.14
EXT_SCKI_ISOLA: IC15A.13 IC15B.6 | length 1711.2
  Top w11.81: v3(2566.93,3015.75) 2567.72,3014.96 IC15A.13@2567.72,2927.79 ; IC15B.6@2645.67,1540.94 2707.87,1540.94 2713.34,1546.42 v3(2715.47,1546.42)
  Bot w11.81: v3(2566.93,3015.75) 2566.93,2938.98 2543.31,2915.35 2543.31,2643.34 2607.54,2579.11 2607.54,2481.21 2654.07,2434.67 2654.07,2040.62 2653.54,2040.09 2653.54,1651.27 2715.47,1589.34 v3(2715.47,1546.42)
EXT_SCKI_ISOLB: IC15B.13
EXT_SDI_ISOLA: IC15A.12 IC15B.7 | length 1658
  Top w11.81: IC15A.12@2587.4,2927.79 2587.4,2986.22 v3(2593.31,2992.13) ; IC15B.7@2645.67,1560.63 2695.59,1560.63 2707.79,1572.83 v3(2748.03,1572.83)
  Bot w11.81: v3(2593.31,2992.13) 2593.31,2642.05 2660.35,2575.01 2660.35,2452.17 2670.89,2441.63 2670.89,2033.66 2670.35,2033.12 2670.35,1846.3 2748.03,1768.62 v3(2748.03,1572.83)
EXT_SDI_ISOLB: IC15B.12
EXT_SDO_ISOLA: IC15A.11 IC15B.5 | length 1743.3
  Top w11.81: IC15A.11@2607.09,2927.79 2607.09,2963.23 2617.59,2973.73 2617.59,2998.49 v3(2619.09,3000) ; IC15B.5@2645.67,1521.26 v3(2771.65,1521.26)
  Bot w11.81: v3(2619.09,3000) 2619.09,2746.71 2715.47,2650.33 2715.47,1837.81 2771.65,1781.63 v3@2771.65,1523.1
EXT_SDO_ISOLB: IC15B.11
GND: C1.1 C4.1 C6.1 C9.1 C49.2 C58.1 C60.1 C61.1 C63.2 C64.1 IC1.2 IC1.3 IC1.4 IC23.2 IC23.3 IC23.4 IC24.2 IC24.3 IC24.4 IC25.5 IC25.7 IC26.2 IC28.5 IC28.7 J1.2 J1.4 J1.13 J1.14 J1.16 L2.2 R3.1 R4.1 R24.1 R96.1 R97.1 R100.1 R101.1 | length 1152
  Top w15.75: v2(3933.32,1556) 3933.62,1556.3 R24.1@3960.63,1556.3 ; v3(3977.43,1526.57) 3977.82,1526.18 4027.17,1526.18 IC28.5@4027.56,1525.79 ; IC28.7@4027.56,1425.79 4031.5,1429.72 4076.38,1429.72 4102.36,1455.71 v2(4102.36,1475.79) ; C1.1@4062.99,2084.65 4063.29,2084.35 4063.29,2057.34 v2(4063.59,2057.04) ; C61.1@4064.96,2836.61 4065.26,2836.32 4065.26,2809.31 v2(4065.56,2809.01) ; IC25.7@4096.06,3081.5 4201.57,3081.5 C63.2@4232.28,3112.2 C9.1@4271.65,3112.2 ; C60.1@4102.36,2164.66 4129.37,2164.66 v2(4129.67,2164.96) ; R4.1@4121.08,2120.38 4122.59,2118.87 4151.25,2118.87 v2(4152.76,2120.38) ; C58.1@4140.3,2896.7 4167.31,2896.7 v2(4167.61,2897) ; R3.1@4153.54,1891.73 4153.84,1891.43 4153.84,1864.42 v2(4154.14,1864.13) ; v2(4172.63,2810.68) 4172.93,2810.38 4172.93,2783.37 R100.1@4173.23,2783.07 ; R101.1@4186.32,2847.18 4213.33,2847.18 v2(4213.63,2847.47) ; C6.1@4301.37,2624.57 4301.67,2624.27 4301.67,2597.26 v2(4301.97,2596.96) ; C49.2@4301.97,1658.07 4302.26,1658.37 4329.28,1658.37 v2(4329.57,1658.66) ; C64.1@4344.74,2707.64 4371.75,2707.64 v2(4372.05,2707.93) ; R97.1@4351.79,2666.48 4359.81,2658.46 4384.84,2658.46 v2(4385.83,2657.48) ; v2(4399.6,2597.31) 4399.9,2597.01 4399.9,2570 R96.1@4400.19,2569.7 ; L2.2@4447.05,1577.36 4447.05,1577.56 L2.2@4454.72,1585.24 ; C4.1@4454.72,1675.79 L2.2@4454.72,1585.24 ; v1(4486.78,1593.31) 4462.8,1593.31 L2.2@4454.72,1585.24
  Top w31.5: v4(4291.77,1771.82) J1.2@4346.03,1771.82 ; v4(4291.77,1850.56) J1.4@4346.03,1850.56 ; v4(4291.77,2244.26) J1.14@4346.03,2244.26 ; v4(4291.77,2323) J1.16@4346.03,2323 ; J1.13@4548.79,2244.26 v4(4597.88,2244.26)
GNDc: C26.1 C27.2 C28.2 C30.2 C31.2 C37.2 C38.2 C41.1 D10.2 IC3.10 IC6.3 J10.1 L2.3 P1.1 R12.2 R19.1 R29.1 R31.1 R33.1 SW1.1 | length 1483.8
  Top w10: IC6.3@3356.3,88.58 3356.95,88.58 3388.44,57.09 R33.1@3484.25,57.09 ; J10.1@3960.8,120.08 v1(3960.8,196.85) ; v1(3989.62,311.02) R29.1@4027.72,311.02 ; v1(4027.72,226.38) R29.1@4027.72,311.02 ; v1(4074.8,305.12) 4072.18,305.12 4066.28,311.02 R29.1@4027.72,311.02 ; v4@4100.56,393.7 4100.56,422.05 C31.2@4089.73,432.87 4100.56,443.7 v4@4100.56,481.77 ; v4(4186.58,392.51) 4186.58,426.57 C30.2@4189.14,429.13 4187.27,431 v4@4187.27,473.09 ; v4@4397.8,1282.09 L2.3@4447.05,1282.09 ; v4@4442.09,1348.43 4442.09,1345.8 4447.05,1340.85 L2.3@4447.05,1282.09 ; v4(4443.91,1221.91) 4443.91,1278.94 L2.3@4447.05,1282.09 ; P1.1@4560.8,301.18 4581.39,321.77 4581.39,572.86 4586.61,578.09 v1(4586.61,580.71)
  Top w15.75: v1(4027.17,1088.58) D10.2@4063.16,1088.58 ; v1(4082.16,1131.89) C41.1@4119.26,1131.89 ; R31.1@4121.23,997.05 4130.4,1006.22 4152,1006.22 v1(4152.76,1006.97)
  Top w20: v1(4149.77,828.74) C38.2@4149.77,854.33 ; IC3.10@4210.8,997.05 4229.5,997.05 4244.26,1011.81 v1(4261.81,1011.81) ; C37.2@4210.8,1238.19 v1(4210.8,1282.09) ; C26.1@4454.89,608.27 4455.62,607.54 v1(4455.62,584.96) ; v1(4548.79,1088.58) 4548.79,1054.33 R19.1@4556.07,1047.05 ; C27.2@4553.31,783.46 v1(4596.46,783.46) ; R12.2@4565.13,665.35 v1(4596.46,665.35) ; C28.2@4565.13,724.41 4566.11,725.39 v1(4596.46,725.39)
  Bot w10: SW1.1@3954.4,311.02 v1(3989.62,311.02)
  other v4: 4099.87,392.51 4186.58,471.91 4099.87,480.58 4397.11,1280.9 4441.41,1347.24